# Altium PCB SeaBOX-HDMI-Stick.PcbDoc (part 1 of 2) (continued)
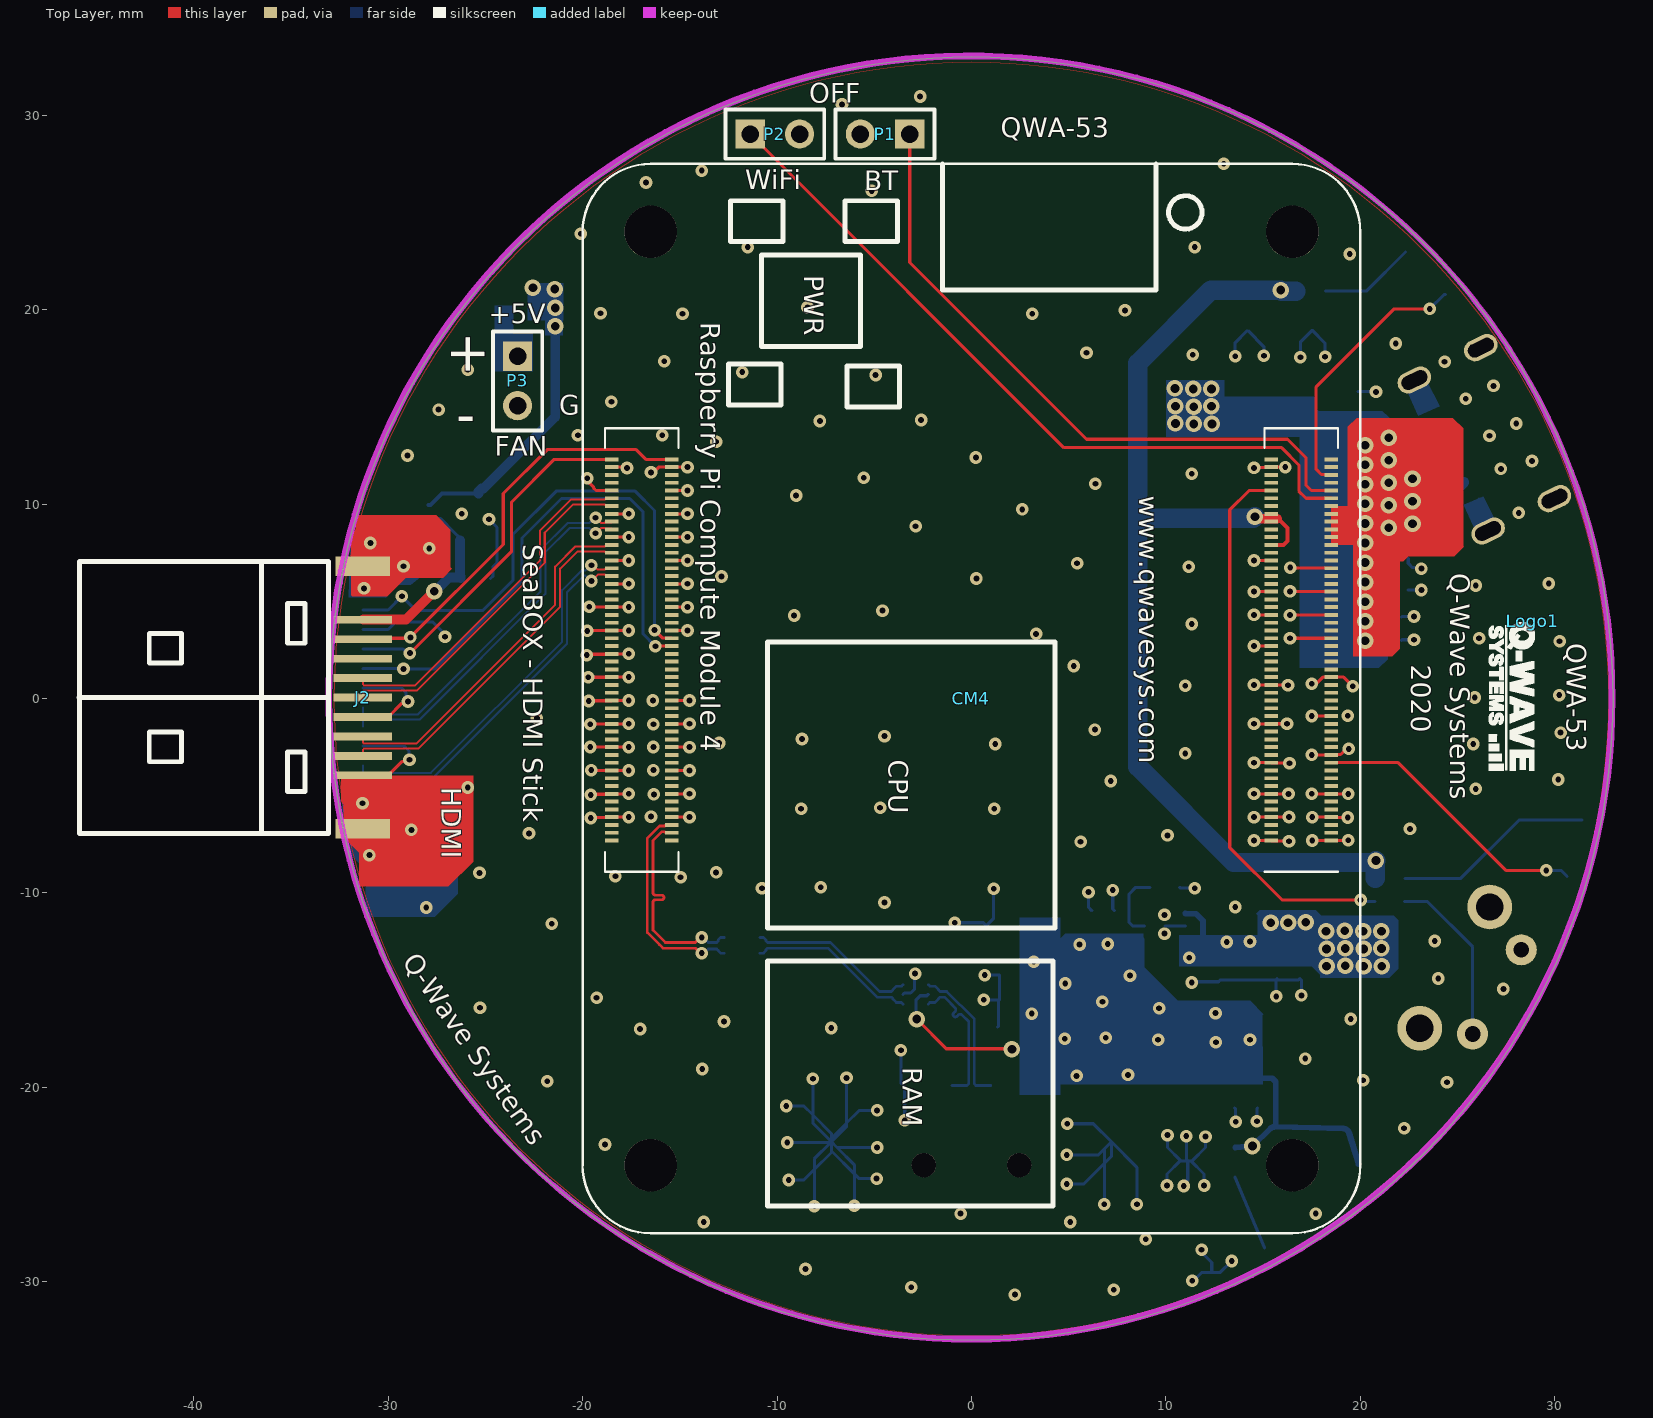
[diagram p0: Top Layer view]
## Design rules (kind name [scope] priority, off if disabled: settings) (continued)
MinimumSolderMaskSliver [All] p1 off: minsoldermaskwidth=0.254
MinimumSolderMaskSliver MinimumSolderMaskSliver_1 [All] p2 off: minsoldermaskwidth=0.15
NetAntennae [All] p1 off: netantennaetolerance=0
NetAntennae NetAntennae_1 [All] p2 off: netantennaetolerance=0
PasteMaskExpansion PasteMaskExpansion_1 [All] p2: expansion=0
PlaneClearance [All] p1: clearance=0.508
PlaneConnect [All] p1: planeconnectstyle=Direct reliefexpansion=0.508 reliefentries=4 reliefconductorwidth=0.254 reliefairgap=0.254
PolygonConnect PolygonConnect_Via [IsVia] p1: connectstyle=Direct reliefconductorwidth=0.254 reliefentries=4 polygonreliefangle="90 Angle" airgapwidth=0.254
PolygonConnect [All] p2: connectstyle=Relief reliefconductorwidth=0.254 reliefentries=4 polygonreliefangle="90 Angle" airgapwidth=0.254
RoutingVias RoutingVias_PWR [InNetClass('Power')] p1: holewidth=0.45 width=0.85 viastyle="Through Hole" minholewidth=0.254 minwidth=0.508 maxholewidth=0.508 maxwidth=1
RoutingVias RoutingVias_All [All] p2: holewidth=0.3 width=0.65 viastyle="Through Hole" minholewidth=0.254 minwidth=0.508 maxholewidth=0.508 maxwidth=0.762
SilkToSilkClearance [All] p1 off: silktosilkclearance=0.254
SilkToSilkClearance SilkToSilkClearance_1 [All] p2 off: silktosilkclearance=0.15
SilkToSolderMaskClearance [IsPad] p1 off: minsilkscreentomaskgap=0.254 clearancetoexposedcopper=TRUE
SilkToSolderMaskClearance SilkToSolderMaskClearance_1 [IsPad] p2 off: minsilkscreentomaskgap=0.15 clearancetoexposedcopper=TRUE
SolderMaskExpansion isvia [IsVia] p1: expansion=0.102 istentingtop=TRUE
SolderMaskExpansion [All] p2: expansion=0.102 istentingtop=FALSE
Width Width_PWR [InNetClass('Power')] p1: maxlimit=1 minlimit=0.16 preferedwidth=0.254
Width Width_ALL [All] p2: maxlimit=0.159 minlimit=0.159 preferedwidth=0.159 impedanceprofiledriven=TRUE impedanceprofileid={7361B5D5-F14E-4653-BFB6-1DEEE71D066F} impedanceprofilevalue=50.000000 minimp=50.000000 maximp=50.000000 favimp=50.000000
14 further rules are at their usual default settings.

## Classes and differential pairs
component class HDMI2.0: C11 C12 H1 J2 U1
component class "Top_Level_Block Diagram": Logo1
component class Power: C4 C5 C6 C7 C8 C9 C10 F1 J1 P3
component class LEDs: D3 D4 R7 R8
component class "BT WiFi Power Reset Control": P1 P2 R2 SW1
differential pair class DIFF_USB2.0: C_USB2 D USB2
differential pair class DIFF_90Ohm_USB2.0: C_USB2 D USB2
net class Power: 5V 5V_USB GPIO_VRef_3V3 H5V
differential pair class DIFF_PCIe: PCIE_CLK PCIE_RX PCIE_TX
differential pair class DIFF_MIPI: CAM0_C CAM0_D0 CAM0_D1 CAM1_C CAM1_D0 CAM1_D1 CAM1_D2 CAM1_D3 DSI0_C DSI0_D0 DSI0_D1 DSI1_C DSI1_D0 DSI1_D1 DSI1_D2 DSI1_D3
differential pair class DIFF_LAN_GB: TRD0 TRD1 TRD2 TRD3
differential pair class DIFF_HDMI: HDMI0_CLK HDMI0_TX0 HDMI0_TX1 HDMI0_TX2
differential pair class DIFF_100Ohm_MIPI: CAM0_C CAM0_D0 CAM0_D1 CAM1_C CAM1_D0 CAM1_D1 CAM1_D2 CAM1_D3 DSI0_C DSI0_D0 DSI0_D1 DSI1_C DSI1_D0 DSI1_D1 DSI1_D2 DSI1_D3
differential pair class DIFF_100Ohm_HDMI: HDMI0_CLK HDMI0_TX0 HDMI0_TX1 HDMI0_TX2
differential pair class DIFF_100Ohm_GBE: TRD0 TRD1 TRD2 TRD3
differential pair class DIFF_90Ohm_PCIe: PCIE_CLK PCIE_RX PCIE_TX
net class USB2.0_480Mbps: C_USB2_N C_USB2_P D_N D_P USB2_N USB2_P
net class PCIe_5Gbps: PCIE_CLK_N PCIE_CLK_P PCIE_RX_N PCIE_RX_P PCIE_TX_N PCIE_TX_P
net class MIPI_1Gbps: CAM0_C_N CAM0_C_P CAM0_D0_N CAM0_D0_P CAM0_D1_N CAM0_D1_P CAM1_C_N CAM1_C_P CAM1_D0_N CAM1_D0_P CAM1_D1_N CAM1_D1_P CAM1_D2_N CAM1_D2_P CAM1_D3_N CAM1_D3_P DSI0_C_N DSI0_C_P DSI0_D0_N DSI0_D0_P DSI0_D1_N DSI0_D1_P DSI1_C_N DSI1_C_P DSI1_D0_N DSI1_D0_P DSI1_D1_N DSI1_D1_P DSI1_D2_N DSI1_D2_P DSI1_D3_N DSI1_D3_P
net class HDMI_18Gbps: HDMI0_CLK_N HDMI0_CLK_P HDMI0_TX0_N HDMI0_TX0_P HDMI0_TX1_N HDMI0_TX1_P HDMI0_TX2_N HDMI0_TX2_P
net class GBE_1Gbps: TRD0_N TRD0_P TRD1_N TRD1_P TRD2_N TRD2_P TRD3_N TRD3_P
component class USB: 1 C1 C2 C3 C13 C14 C15 C16 C17 C18 C19 C20 C21 C22 D1 D2 L1 R1 R9 U2 USB1
component class GPIO: CM4
differential pair D: +D_P -D_N
differential pair USB2: +USB2_P -USB2_N
differential pair C_USB2: +C_USB2_P -C_USB2_N
differential pair TRD3: +TRD3_P -TRD3_N
differential pair TRD2: +TRD2_P -TRD2_N
differential pair TRD1: +TRD1_P -TRD1_N
differential pair TRD0: +TRD0_P -TRD0_N
differential pair PCIE_TX: +PCIE_TX_P -PCIE_TX_N
differential pair PCIE_RX: +PCIE_RX_P -PCIE_RX_N
differential pair PCIE_CLK: +PCIE_CLK_P -PCIE_CLK_N
differential pair HDMI0_TX2: +HDMI0_TX2_P -HDMI0_TX2_N
differential pair HDMI0_TX1: +HDMI0_TX1_P -HDMI0_TX1_N
differential pair HDMI0_TX0: +HDMI0_TX0_P -HDMI0_TX0_N
differential pair HDMI0_CLK: +HDMI0_CLK_P -HDMI0_CLK_N
differential pair DSI1_D3: +DSI1_D3_P -DSI1_D3_N
differential pair DSI1_D2: +DSI1_D2_P -DSI1_D2_N
differential pair DSI1_D1: +DSI1_D1_P -DSI1_D1_N
differential pair DSI1_D0: +DSI1_D0_P -DSI1_D0_N
differential pair DSI1_C: +DSI1_C_P -DSI1_C_N
differential pair DSI0_D1: +DSI0_D1_P -DSI0_D1_N
differential pair DSI0_D0: +DSI0_D0_P -DSI0_D0_N
differential pair DSI0_C: +DSI0_C_P -DSI0_C_N
differential pair CAM1_D3: +CAM1_D3_P -CAM1_D3_N
differential pair CAM1_D2: +CAM1_D2_P -CAM1_D2_N
differential pair CAM1_D1: +CAM1_D1_P -CAM1_D1_N
differential pair CAM1_D0: +CAM1_D0_P -CAM1_D0_N
differential pair CAM1_C: +CAM1_C_P -CAM1_C_N
differential pair CAM0_D1: +CAM0_D1_P -CAM0_D1_N
differential pair CAM0_D0: +CAM0_D0_P -CAM0_D0_N
differential pair CAM0_C: +CAM0_C_P -CAM0_C_N

## Components (designator, comment, footprint, x,y, rotation, side; value= is the part's Value field where it differs from the comment)
1 "5V_USB" TEST_POINT 19.914,-23.952 r90 bottom
C1 "4.7uF" CAP_0805 2.261,-16.891 r180 bottom
C2 "0.1µF" CAP_0603 2.21,-15.469 r180 bottom
C3 "0.01µF" CAP_0603 2.21,-14.224 r0 bottom
C4 "47uF 16V (1210)" "C 1210" 14.173,16.942 r90 bottom
C5 "0.1µF" CAP_0603 19.888,15.037 r90 bottom
C6 "47uF 16V (1210)" "C 1210" 17.526,16.967 r90 bottom
C7 "4.7uF" CAP_0805 21.539,5.588 r0 bottom
C8 "0.1µF" CAP_0603 21.361,4.191 r0 bottom
C9 "4.7uF" CAP_0805 21.552,7.188 r0 bottom
C10 "0.1µF" CAP_0603 21.361,2.997 r0 bottom
C11 "0.1uF" CAP_0603 -27.915,9.195 r90 bottom
C12 "0.1uF" CAP_0603 -25.502,6.172 r180 bottom
C13 "4.7uF 16V" CAP_0805 12.751,-13.614 r270 bottom
C14 "4.7uF 16V" CAP_0805 14.326,-13.614 r270 bottom
C15 "1µF" CAP_0603 15.723,-13.64 r90 bottom
C16 "0.1uF" CAP_0603 16.891,-13.64 r90 bottom
C17 "1µF" CAP_0603 14.707,-20.295 r90 bottom
C18 "1µF" CAP_0603 13.538,-20.295 r90 bottom
C19 "0.1µF" CAP_0603 6.189,-11.669 r270 bottom
C20 "0.1µF" CAP_0603 7.357,-11.669 r270 bottom
C21 "47uF 16V" 1210C-GENERIC 11.125,-23.774 r90 bottom value=47uF
C22 "47uF 16V" 1210C-GENERIC 0.762,-11.684 r0 bottom value=47uF
CM4 "Raspberry Pi Compute Module 4" CM4-F40C-100DS-0.4V_1.5MM_0MM 0,0 r0 top locked
D1 "USBLC6-2" SOT-666 -2.87,-15.215 r90 bottom
D2 "Red SMD LED    Used in manufacturing of most products at SparkFun   Packages: 0603 - SMD 0603 package [Product Link]  0603 SMART - SMD 0603 SMART package ( more efficient and expensive)[Product Link]   1206 - SMD1206  package [Product Link]    SparkFun Products: Pro Mini 328 -5V  RedBoard  IOIO-OTG" LED-1206-LED_AL-S1204SRC50-14M 13.716,-28.88 r205 bottom
D3 "Red SMD LED    Used in manufacturing of most products at SparkFun   Packages: 0603 - SMD 0603 package [Product Link]  0603 SMART - SMD 0603 SMART package ( more efficient and expensive)[Product Link]   1206 - SMD1206  package [Product Link]    SparkFun Products: Pro Mini 328 -5V  RedBoard  IOIO-OTG" LED-1206-LED_AL-S1204SRC50-14M 31.013,-7.696 r255 bottom
D4 "Red SMD LED    Used in manufacturing of most products at SparkFun   Packages: 0603 - SMD 0603 package [Product Link]  0603 SMART - SMD 0603 SMART package ( more efficient and expensive)[Product Link]   1206 - SMD1206  package [Product Link]    SparkFun Products: Pro Mini 328 -5V  RedBoard  IOIO-OTG" LED-1206-LED_AL-S1204SRC50-14M 23.343,21.869 r313 bottom
F1 "Fuse 2" 1206 -22.885,20.218 r0 bottom
H1 "H5V" TEST_POINT -29.489,9.246 r180 bottom
J1 "TYPE-C 6 Pin" TYPE-C-31-M-17 26.3,13.5 r296 bottom locked
J2 "HDMIconnector 19" HDMI-SMD_19P_C168715 -31.3,0.051 r270 top locked
L1 "ACM2012-900-2P-T002" ACM2012 -11.796,-12.694 r0 bottom
Logo1 "QWAVE Logo" Qwave_Logo1 28.88,3.988 r270 top
P1 "Header 2" HDR1X2 -3.175,29.032 r180 top
P2 "Header 2" HDR1X2 -11.379,29.032 r0 top
P3 "Header 2" HDR1X2 -23.343,17.602 r270 top
R1 "20K" RES_0603 9.948,-9.713 r180 bottom
R2 "220R" RES_0603 21.514,-10.439 r0 bottom
R7 "470R" RES_0603 21.539,-9.246 r180 bottom
R8 "470R" RES_0603 17.45,20.955 r180 bottom
R9 "470R" RES_0603 13.564,-23.851 r90 bottom
SW1 "MJTP1117" "TSW DIP-3*6*4.3_V" 27.026,-15.088 r240 bottom
U1 "IC_Diodes_AP2331W-7_eec" Diodes_AP2331W-7_0 -25.349,9.347 r180 bottom
U2 "DiodesZetex AP2553AFDC-7" SON65P201X201X63-7N 9.948,-11.694 r0 bottom
USB1 "USBA SMD" USB-A/S_B 0,-24 r180 bottom locked

## Footprints (in the part's own frame and the unit in brackets; to place one, negate y for a bottom-side part, rotate by r counter-clockwise, add the part's x,y. Pads: shape width x height; smd on the part's side, far side on the other; paste and mask are expansions set on the pad)
1206 [mm]
  rect 1.6x1.8 smd: 1(-1.4,0) 2(1.4,0)
1210C-GENERIC [mil]
  rect 60x100 smd: 1(0,0) 2(135,0)
  silkscreen extent -50,-70 185,70, body extent -10,-50 145,50, height 46
ACM2012 [mm]
  rect 0.75x0.4 smd mask+0.076: 1(-0.925,0.4) 2(-0.925,-0.4) 3(0.925,-0.4) 4(0.925,0.4)
  silkscreen extent -1.1,-0.9 1.1,0.9, body extent -1.2,-0.7 1.2,0.7, height 1.3
"C 1210" [mil] "ฮผซะิฬ๙ฦฌต็ศ"
  rect 70x100 smd: 1(-77.5,0) 2(77.5,0)
  silkscreen extent -124,-62 122,62, body extent -63,-51 63,51, height 60
CAP_0603 [mil]
  rrect50% 22x30 smd: 1(-30,0) 2(30,0)
  silkscreen extent -10,-15 10,15, body extent -31,-16 31,16, height 31
CAP_0805 [mil]
  rrect50% 24x50 smd: 1(-36,0) 2(36,0)
  silkscreen extent -12,-24 12,24, body extent -39,-25 39,25, height 39
CM4-F40C-100DS-0.4V_1.5MM_0MM [mm] "DF40C-100DS-0.4v by Amornthep Phunsin"
  round 2.7 hole 2.7: 0(-16.5,-24) 0(-16.5,24) 0(16.5,-24) 0(16.5,24)
  rect 0.7x0.2 smd: 1(18.5,-7.3) 2(15.42,-7.3) 3(18.5,-6.9) 4(15.42,-6.9) 5(18.5,-6.5) 6(15.42,-6.5) 7(18.5,-6.1) 8(15.42,-6.1) 9(18.5,-5.7) 10(15.42,-5.7) 11(18.5,-5.3) 12(15.42,-5.3) 13(18.5,-4.9) 14(15.42,-4.9) 15(18.5,-4.5) 16(15.42,-4.5) 17(18.5,-4.1) 18(15.42,-4.1) 19(18.5,-3.7) 20(15.42,-3.7) 21(18.5,-3.3) 22(15.42,-3.3) 23(18.5,-2.9) 24(15.42,-2.9) 25(18.5,-2.5) 26(15.42,-2.5) 27(18.5,-2.1) 28(15.42,-2.1) 29(18.5,-1.7) 30(15.42,-1.7) 31(18.5,-1.3) 32(15.42,-1.3) 33(18.5,-0.9) 34(15.42,-0.9) 35(18.5,-0.5) 36(15.42,-0.5) 37(18.5,-0.1) 38(15.42,-0.1) 39(18.5,0.3) 40(15.42,0.3) 41(18.5,0.7) 42(15.42,0.7) 43(18.5,1.1) 44(15.42,1.1) 45(18.5,1.5) 46(15.42,1.5) 47(18.5,1.9) 48(15.42,1.9) 49(18.5,2.3) 50(15.42,2.3) 51(18.5,2.7) 52(15.42,2.7) 53(18.5,3.1) 54(15.42,3.1) 55(18.5,3.5) 56(15.42,3.5) 57(18.5,3.9) 58(15.42,3.9) 59(18.5,4.3) 60(15.42,4.3) 61(18.5,4.7) 62(15.42,4.7) 63(18.5,5.1) 64(15.42,5.1) 65(18.5,5.5) 66(15.42,5.5) 67(18.5,5.9) 68(15.42,5.9) 69(18.5,6.3) 70(15.42,6.3) 71(18.5,6.7) 72(15.42,6.7) 73(18.5,7.1) 74(15.42,7.1) 75(18.5,7.5) 76(15.42,7.5) 77(18.5,7.9) 78(15.42,7.9) 79(18.5,8.3) 80(15.42,8.3) 81(18.5,8.7) 82(15.42,8.7) 83(18.5,9.1) 84(15.42,9.1) 85(18.5,9.5) 86(15.42,9.5) 87(18.5,9.9) 88(15.42,9.9) 89(18.5,10.3) 90(15.42,10.3) 91(18.5,10.7) 92(15.42,10.7) 93(18.5,11.1) 94(15.42,11.1) 95(18.5,11.5) 96(15.42,11.5) 97(18.5,11.9) 98(15.42,11.9) 99(18.5,12.3) 100(15.42,12.3) 101(-15.42,-7.3) 102(-18.5,-7.3) 103(-15.42,-6.9) 104(-18.5,-6.9) 105(-15.42,-6.5) 106(-18.5,-6.5) 107(-15.42,-6.1) 108(-18.5,-6.1) 109(-15.42,-5.7) 110(-18.5,-5.7) 111(-15.42,-5.3) 112(-18.5,-5.3) 113(-15.42,-4.9) 114(-18.5,-4.9) 115(-15.42,-4.5) 116(-18.5,-4.5) 117(-15.42,-4.1) 118(-18.5,-4.1) 119(-15.42,-3.7) 120(-18.5,-3.7) 121(-15.42,-3.3) 122(-18.5,-3.3) 123(-15.42,-2.9) 124(-18.5,-2.9) 125(-15.42,-2.5) 126(-18.5,-2.5) 127(-15.42,-2.1) 128(-18.5,-2.1) 129(-15.42,-1.7) 130(-18.5,-1.7) 131(-15.42,-1.3) 132(-18.5,-1.3) 133(-15.42,-0.9) 134(-18.5,-0.9) 135(-15.42,-0.5) 136(-18.5,-0.5) 137(-15.42,-0.1) 138(-18.5,-0.1) 139(-15.42,0.3) 140(-18.5,0.3) 141(-15.42,0.7) 142(-18.5,0.7) 143(-15.42,1.1) 144(-18.5,1.1) 145(-15.42,1.5) 146(-18.5,1.5) 147(-15.42,1.9) 148(-18.5,1.9) 149(-15.42,2.3) 150(-18.5,2.3) 151(-15.42,2.7) 152(-18.5,2.7) 153(-15.42,3.1) 154(-18.5,3.1) 155(-15.42,3.5) 156(-18.5,3.5) 157(-15.42,3.9) 158(-18.5,3.9) 159(-15.42,4.3) 160(-18.5,4.3) 161(-15.42,4.7) 162(-18.5,4.7) 163(-15.42,5.1) 164(-18.5,5.1) 165(-15.42,5.5) 166(-18.5,5.5) 167(-15.42,5.9) 168(-18.5,5.9) 169(-15.42,6.3) 170(-18.5,6.3) 171(-15.42,6.7) 172(-18.5,6.7) 173(-15.42,7.1) 174(-18.5,7.1) 175(-15.42,7.5) 176(-18.5,7.5) 177(-15.42,7.9) 178(-18.5,7.9) 179(-15.42,8.3) 180(-18.5,8.3) 181(-15.42,8.7) 182(-18.5,8.7) 183(-15.42,9.1) 184(-18.5,9.1) 185(-15.42,9.5) 186(-18.5,9.5) 187(-15.42,9.9) 188(-18.5,9.9) 189(-15.42,10.3) 190(-18.5,10.3) 191(-15.42,10.7) 192(-18.5,10.7) 193(-15.42,11.1) 194(-18.5,11.1) 195(-15.42,11.5) 196(-18.5,11.5) 197(-15.42,11.9) 198(-18.5,11.9) 199(-15.42,12.3) 200(-18.5,12.3)
  silkscreen extent -20,-27.5 20,27.5, body extent -20,-27.5 20,27.5, height 5.15
Diodes_AP2331W-7_0 [mm]
  rect 0.8x1 smd paste+0 mask+0: 1(-0.95,-1.2) 2(0.95,-1.2) 3(0,1.2)
  silkscreen extent -1.5,-2.37 1.5,0.8, body extent -1.5,-1.37 1.5,1.43, height 1.15
HDMI-SMD_19P_C168715 [mm] "C168715 HDMIconnector 19 Vertical Plywood"
  rect 1x2.8 smd far side: 0(-6.75,0) 0(6.75,0)
  rect 1x2.8 smd: 0(-6.75,0) 0(6.75,0)
  rect 0.4x3 smd far side: 1(4.5,0) 3(3.5,0) 5(2.5,0) 7(1.5,0) 9(0.5,0) 11(-0.5,0) 13(-1.5,0) 15(-2.5,0) 17(-3.5,0) 19(-4.5,0)
  rect 0.4x3 smd: 2(4,0) 4(3,0) 6(2,0) 8(1,0) 10(0,0) 12(-1,0) 14(-2,0) 16(-3,0) 18(-4,0)
  silkscreen extent -7,-14.6 7,-1.78, body extent -6.95,-14.46 6.95,0.75, height 2.22
HDR1X2 [mm] "Connector; Header; 2 Position"
  rect 1.5x1.5 hole 0.9: 1(0,0)
  round 1.5 hole 0.9: 2(2.54,0)
  silkscreen extent -1.27,-1.27 3.81,1.27
LED-1206-LED_AL-S1204SRC50-14M [mm] "LED_AL-S1204SRC50-14M"
  rect 1.2x1.4 smd: A(-1.5,0) C(1.5,0)
  silkscreen extent 0.16,-0.68 0.65,0.68, body extent -1.6,-1.51 1.6,0, height 1.01
Qwave_Logo1 [mm]
  silkscreen extent 0.08,-2.26 7.7,0.1
RES_0603 [mil]
  rrect50% 22x30 smd: 1(-30,0) 2(30,0)
  silkscreen extent -10,-16 10,16, body extent -31,-16 31,16, height 18
SON65P201X201X63-7N [mm]
  rect 0.65x0.35 smd: 1(-1.05,0.65) 2(-1.05,0) 3(-1.05,-0.65) 4(1.05,-0.65) 5(1.05,0) 6(1.05,0.65)
  rect 1.06x1.75 smd: 7(0,0)
  silkscreen extent -1.5,1.2 -1.25,1.45, body extent -1.06,-1.01 1.06,1.01, height 0.63
SOT-666 [mm]
  rect 0.3x0.6 smd: 1(-0.5,-0.65) 2(0,-0.65) 3(0.5,-0.65) 4(0.5,0.65) 5(0,0.65) 6(-0.5,0.65)
  silkscreen extent -1.1,-0.8 -0.9,-0.6, body extent -0.8,-0.8 0.8,0.8, height 0.6
TEST_POINT [mm]
  round 1 smd: 1(0,0)
"TSW DIP-3*6*4.3_V" [mm] "๏ฟฝเฐด๏ฟฝแดฅ๏ฟฝ๏ฟฝ๏ฟฝ๏ฟฝ 3*6*4.3mm"
  round 1.6 hole 0.8: 1(-2.5,0) 2(2.5,0)
  round 2.3 hole 1.4: PE1(-3.6,2.5) PE2(3.6,2.5)
  silkscreen extent -3.81,-3.18 3.81,2.54, body extent -4,-3.05 4,3.5, height 4.45
TYPE-C-31-M-17 [mm] "Korean Hroparts Elec"
  rect 0.7x1.5 smd: A5(-0.313,1.9) B5(0.687,1.9)
  rect 0.8x1.5 smd: A9(1.707,1.9) B9(-1.333,1.9)
  rect 0.9x1.5 smd: A12(2.937,1.9) B12(-2.563,1.9)
  rect 0.2x0.2 smd paste-1 mask+0: S1(-4.508,1.9) S2(4.132,1.9) S3(-4.508,-1.9) S4(4.132,-1.9)
  oval 1.1x1.799 hole 0.7 slot 1.401 at 90 deg: S1(-4.133,1.9) S2(-4.133,-1.9) S3(4.508,1.9) S4(4.508,-1.9)
  silkscreen extent -4.28,-4.5 4.66,0.73, body extent -4.28,-4.49 4.66,2.41, height 3.2
USB-A/S_B [mm] "USB A SMD"
  round 1.25 hole 1.25 unplated: 7(-2.45,0) 8(2.45,0)
  rect 1.2x2.5 smd: D+(1,4.1) D-(-1,4.1) G(3.5,4.1) V(-3.5,4.1)
  rect 3x5.15 smd: SH1(-7.2,1.2) SH2(7.2,1.2)
  silkscreen extent -6.6,-10.16 6.61,6.19, body extent -7.75,-9.9 7.75,4.8, height 6.9

## Part data
1 H1: library part TEST_POINT, "Test Point"
C1 C7 C9 C13 C14: library part Cap, "4.7µF ±10% 16V Ceramic Capacitor X5R 0805", MFG=KEMET, MFG P/N=C0603C475K8PACTU
C2 C5 C8 C10 C11 C12 C16: library part "Cap Semi", "0.1µF ±5% 50V Ceramic Capacitor X7R 0603", MFG=KEMET, MFG P/N=C0603C104J5RACTU
C3: library part "Cap Semi", "0.01µF ±5% 50V Ceramic Capacitor X7R 0603", MFG=KEMET, MFG P/N=C0603C104J5RACTU
C4 C6: library part Cap, "47uF 16V Ceramic Capacitor X5R 1210", MFG=KEMET, MFG P/N=C0603C475K8PACTU
C15 C17 C18: library part "Cap Semi", "1µF ±5% 50V Ceramic Capacitor X7R 0603", MFG=KEMET, MFG P/N=C0603C104J5RACTU
C19 C20: library part "Cap Semi", "0.11µF ±5% 50V Ceramic Capacitor X7R 0603", MFG=KEMET, MFG P/N=C0603C104J5RACTU
C21 C22: library part Cap, "Capacitor 1210", Part Number=0805F476M100NT, LatestRevisionDate=17-Jul-2002, LatestRevisionNote="Re-released for DXP Platform.", PackageDescription="Radial Cap, Thru-Hole; 2 Leads; 0.3 in Pin Spacing", PackageReference=RAD-0.3, Published=8-Jun-2000, Publisher="Altium Limited", Supplier=LCSC
CM4: library part CM4
D1: "TVS DIODE 5.25V 17V SOT23-6"
D2 D3 D4: library part LED-RED1206, "LED Red SMD ES P/N 0983-0003-2", DeviceName=1206, DeviceSetName=LED-RED, GateName_1=G$1, LibraryName=SparkFun-LED, PROD_ID=DIO-09912, SymbolName_1=LED
F1: "Fuse", LatestRevisionDate=17-Jul-2002, LatestRevisionNote="Re-released for DXP Platform.", PackageDescription="Thru-Hole; 2 Leads", PackageReference=PIN-W2/E2.8, Published=8-Jun-2000, Publisher="Altium Limited"
J1: library part TYPE-C-31-M-17, "Manufacturer Korean Hroparts Elec / Mfr.Part # TYPE-C-31-M-17 / LCSC Part # C283540", Package=None, Availability=Unavailable, MF="{'manufacturer': u'CUI Devices'}", MP=UJC-HP-3-SMT-TR, Price=None
J2: library part C168715, "Jing Extension of the Electronic Co. C168715", Manufacturer_Name=Yamaichi, Height=3.27mm, Mouser Price/Stock=https://www.mouser.co.uk/ProductDetail/Yamaichi-Electronics/PKS019-4011-0?qs=6DDkx98%252BHnB4M72oyP%252BmZw%3D%3D, Supplier 1=Mouser
L1: "CHOKE COMM MODE 90 OHM .4A SMD", Current=400mA, DC Resistance (DCR)="190 mOhm Max", Inductance=-, Manufacturer="TDK Corporation", Operating Temperature="-25ฐC ~ 85ฐC", Package / Case="0805 (2012 Metric), 4 Lead", Power (Watts)="0.063W, 1/16W", Resistance (Ohms)=8.2K, Supplier Part Number 1=445-2207-1-ND, Temperature Coefficient=ฑ100ppm/ฐC, Tolerance=ฑ1%, .Checked PCB=RF, .Checked SCH=RF, Category=Filters, ComponentLink1Description=http://www.tdk.co.jp/tefe02/e9719_acm2012.pdf, ComponentLink1URL=http://www.tdk.co.jp/tefe02/e9719_acm2012.pdf, ComponentLink2Description=http://www.yageo.com/documents/recent/PYu-RC0402_51_RoHS_L_6.pdf, ComponentLink2URL=http://www.yageo.com/documents/recent/PYu-RC0402_51_RoHS_L_6.pdf, Composition="Thick Film", Features=-, Filter Type="Data, Signal Line", Height="0.016\" (0.40mm)", Height (Max)="0.051\" (1.30mm)", Impedance="90 Ohm", Manufacturer Part Number=ACM2012-900-2P-T002, Mounting Type="Surface Mount", Number of Lines=2, Number of Terminations=2, Packaging="Cut Tape (CT)", Pricing 1="1=0.48, 10=0.448, 50=0.42, 100=0.364, 500=0.308, 1000=0.252 (USD)", RoHS="RoHS Compliant", Size / Dimension="0.079\" L x 0.047\" W (2.00mm x 1.20mm)", Stock 1=175768, Supplier 1=Digi-Key
Logo1: library part Breadboard
P1 P2 P3: "Header, 2-Pin", LatestRevisionDate=17-Jul-2002, LatestRevisionNote="Re-released for DXP Platform.", Publisher="Altium Limited"
R1: library part "Res Semi", "Resistor 0603"
R2 R7 R8 R9: library part "Res Semi", "470R Resistor 0603"
SW1: library part SW-PB, "TACT SWITCH Size 6mmx4.3 MJTP1117", Supplier Part Number 1=642-MJTP1117, Supplier 1=Mouser
U1: "IC LOAD SWITCH SC59", Digikey Part Number=AP2331W-7DICT-ND, Manufacturer=Diodes, Mouser Part Number=621-AP2331W-7, Package=SC-59, Part Number=AP2331W-7, Temperature="-40°C to +85°C", Temperature Range High=+85°C, Temperature Range Low=-40°C, ComponentLink1Description=Upverter, ComponentLink1URL=https://upverter.com/upn/revision/7e2e43c6fc93a657/, ComponentLink2Description=Datasheet, ComponentLink2URL=http://www.diodes.com/_files/datasheets/AP2331.pdf, Digikey Description="IC LOAD SWITCH SC59", helpURL=https://upverter.com/upn/revision/7e2e43c6fc93a657/, Lead Free=yes, Price=0.244736178545, RoHS=TRUE, Supplier 1=Digi-Key, Supplier 2=Mouser, Supplier Part Number 1=AP2331W-7DICT-ND, Supplier Part Number 2=621-AP2331W-7
U2: library part AP2553AFDC-7, "Power Distribution 2.1A Precision ADJ 5.5V 2.1A", Manufacturer_Name="Diodes Inc.", DeviceSetName=AP2553AFDC-7, GateName_1=G$1, Height=0.63mm, LibraryName=AP2553AFDC-7, Manufacturer_Part_Number=AP2553AFDC-7, Mouser_Part_Number=621-AP2553AFDC-7, Mouser_Price-Stock=https://www.mouser.com/Search/Refine.aspx?Keyword=621-AP2553AFDC-7, SymbolName_1=AP2553AFDC-7
USB1: "UMRA04FTWNY-03", ES Link=https://www.es.co.th/detail.asp?Prod=000714637, ES P/N=0007-1463-7, P/N=UMRA04FTWNY-03

## Via types
v1: diameter 0.65, hole 0.3, Top Layer to Bottom, tented both sides, 293 vias
v2: diameter 0.85, hole 0.45, Top Layer to Bottom, tented both sides, 54 vias

## Nets (pads, with @x,y where several pads share a name; then routed paths per layer and width w, separated by ;. In a path a pad name is that pad's centre, name@x,y a point inside that pad or via, vN(x,y) a via of type N, cw(c..) or ccw(c..) an arc to the next point about the centre after c; other vN are vias at no path point)
5V: C4.1 C5.1 C6.1 C7.1 C8.1 C9.1 C10.1 C11.2 C13.1 C14.1 C15.2 C16.2 CM4.77 CM4.79 CM4.81 CM4.83 CM4.85 CM4.87 F1.2 J1.A9 J1.B9 U1.3 U2.4 U2.6 | length 34
  Top Layer w0.2: 19.609,10.359 19.609,10.465
  Bottom w0.2: C11.2@-27.915,9.957 -27.813,9.957 -27.223,10.547 U1.3@-25.349,10.547 ; C4.1@14.173,14.973 14.846,14.3 16.828,14.3 C6.1@17.526,14.999 18.25,14.275 19.968,14.275 20.145,14.098 20.145,14.018 20.452,13.711 23.855,13.711 J1.B9@24.008,13.865
  Bottom w0.3: -22.443,19.99 -22.443,20.19 -21.576,21.057 v2(-21.438,21.057) ; U2.4@10.998,-11.044 11.023,-11.069 11.552,-11.069 11.913,-11.43 11.913,-12.294
  Bottom w0.5: U1.3@-25.349,10.547 -25.349,10.647 -25.199,10.797 -25.099,10.797 -21.412,14.484 v2(-21.412,19.152) ; 22.853,12.829 23.889,13.865 J1.B9@24.008,13.865 ; 23.622,11.328 24.05,10.9 ; 24.359,10.9 24.05,10.9 ; 24.05,10.9 25.109,10.9 J1.A9@25.341,11.132 25.341,11.091 24.892,10.643 23.698,10.643 23.673,10.668 23.768,10.668 24,10.9 24.05,10.9
  other v1: 19.507,-16.485 27.356,-14.935 11.201,-13.335 13.132,-12.522 14.326,-12.497 23.825,-12.471 13.564,-10.719 10.084,-7.036 22.555,-6.706 25.933,-4.648 7.163,-4.242 30.175,-4.166 6.35,-1.6 25.883,0.051 30.226,0.178 10.998,0.66 3.327,3.327 25.933,5.817 29.693,5.918 11.176,6.782 5.436,6.96 -2.87,8.865 28.829,12.217 0.229,12.395 -7.798,14.275 26.848,16.078 -4.928,16.637 -15.799,17.348 21.819,18.263 -14.859,19.787 3.124,19.787 -19.075,19.812 19.456,22.86 -11.506,23.216 -20.091,23.901 -5.131,26.111 -13.868,27.153 12.979,27.508 -2.642,30.963
  other v2: 18.263,-13.767 20.168,-13.767 21.107,-13.767 19.228,-13.741 18.263,-12.878 20.168,-12.878 19.228,-12.852 21.082,-12.852 18.237,-11.963 20.142,-11.963 21.082,-11.963 19.202,-11.938 15.392,-11.532 16.281,-11.532 17.196,-11.506 20.244,2.972 20.244,3.978 20.244,4.983 20.244,5.989 20.244,6.995 20.244,8.001 21.463,8.788 22.682,8.992 20.244,9.007 21.463,9.944 20.244,10.013 22.682,10.147 20.244,11.019 21.463,11.1 22.682,11.303 20.244,12.024 21.463,12.255 20.244,13.03 21.463,13.411 11.43,14.122 12.37,14.122 10.49,14.148 11.43,15.011 10.49,15.037 12.344,15.037 11.405,15.926 12.344,15.926 10.465,15.951 -21.412,20.091 -22.555,21.133
5V_USB: 1.1 C1.1 C2.1 C3.2 C17.2 C18.2 C19.2 C20.2 C21.2 C22.2 D1.5 R9.2 U2.1 USB1.V | length 19.5
  Top Layer w0.16: v2(-2.819,-16.485) -1.295,-18.009 2.057,-18.009 v2(2.083,-18.034)
  Bottom w0.16: v2(-2.819,-16.485) -2.845,-16.459 -2.845,-15.494 -2.635,-15.285 -2.29,-15.285 D1.5@-2.22,-15.215
  Bottom w0.3: v2(2.083,-18.034) 2.845,-18.034 2.896,-17.983 ; R9.2@13.564,-23.089 v2(14.453,-23.012) 15.378,-22.11 cw(c15.587,-22.325) 15.596,-22.025 ; C17.2@14.707,-19.533 15.471,-19.533 15.646,-19.708 15.646,-21.975 15.596,-22.025 ; 1.1@19.914,-23.952 19.418,-22.331 ccw(c19.131,-22.418) 19.139,-22.118 15.596,-22.025
  other v1: 5.41,-19.406 8.052,-19.355 12.573,-17.678 9.601,-17.551 14.326,-17.551 4.801,-17.501 6.909,-17.45 3.099,-16.205 12.548,-16.18 9.652,-15.926 6.731,-15.596 4.826,-14.656 8.153,-14.249 3.2,-13.538 5.563,-12.649 7.01,-12.624
5V_USB_LED: D2.A R9.1 | length 3.9
  Bottom w0.159: R9.1@13.564,-24.613 D2.A@15.076,-28.246
"BT OFF": CM4.91 P1.1 | length 34
  Top Layer w0.159: P1.1@-3.175,29.032 -3.175,22.428 5.918,13.335 16.256,13.335 17.196,12.395 17.196,10.986 17.482,10.7 CM4.91@18.5,10.7
C_USB2_N: D1.3 L1.3 | length 8.7
  Bottom w0.138: L1.3@-10.871,-12.294 -10.696,-12.294 -10.565,-12.425 -10.565,-12.468 -10.484,-12.549 -9.695,-12.549 -7.251,-12.549 -4.73,-15.07 -4.122,-15.07 -4.041,-14.989 -4.041,-14.973 -3.864,-14.796 -3.601,-14.796 D1.3@-3.52,-14.715
C_USB2_P: D1.1 L1.4 | length 8.7
  Bottom w0.138: L1.4@-10.871,-13.094 -10.696,-13.094 -10.565,-12.962 -10.565,-12.919 -10.484,-12.839 -9.575,-12.839 -7.371,-12.839 -4.85,-15.36 -4.122,-15.36 -4.041,-15.44 -4.041,-15.456 -3.864,-15.633 -3.601,-15.633 D1.1@-3.52,-15.715
CAM0_C_N: CM4.140
CAM0_C_P: CM4.142
CAM0_D0_N: CM4.128
CAM0_D0_P: CM4.130
CAM0_D1_N: CM4.134
CAM0_D1_P: CM4.136
CAM1_C_N: CM4.127
CAM1_C_P: CM4.129
CAM1_D0_N: CM4.115
CAM1_D0_P: CM4.117
CAM1_D1_N: CM4.121
CAM1_D1_P: CM4.123
CAM1_D2_N: CM4.133
CAM1_D2_P: CM4.135
CAM1_D3_N: CM4.139
CAM1_D3_P: CM4.141